# Altium PCB Copy of PCB1.PcbDoc
Units mm, origin at the board's own origin, x right, y up, seen from the top; angles counter-clockwise.
Board outline 96.67 x 96.78 mm, 2 copper layers (Top Layer, Bottom Layer); 53 components, 57 nets, 191 pads, 2 vias.
Unrouted connection lines stored in the file: 43.
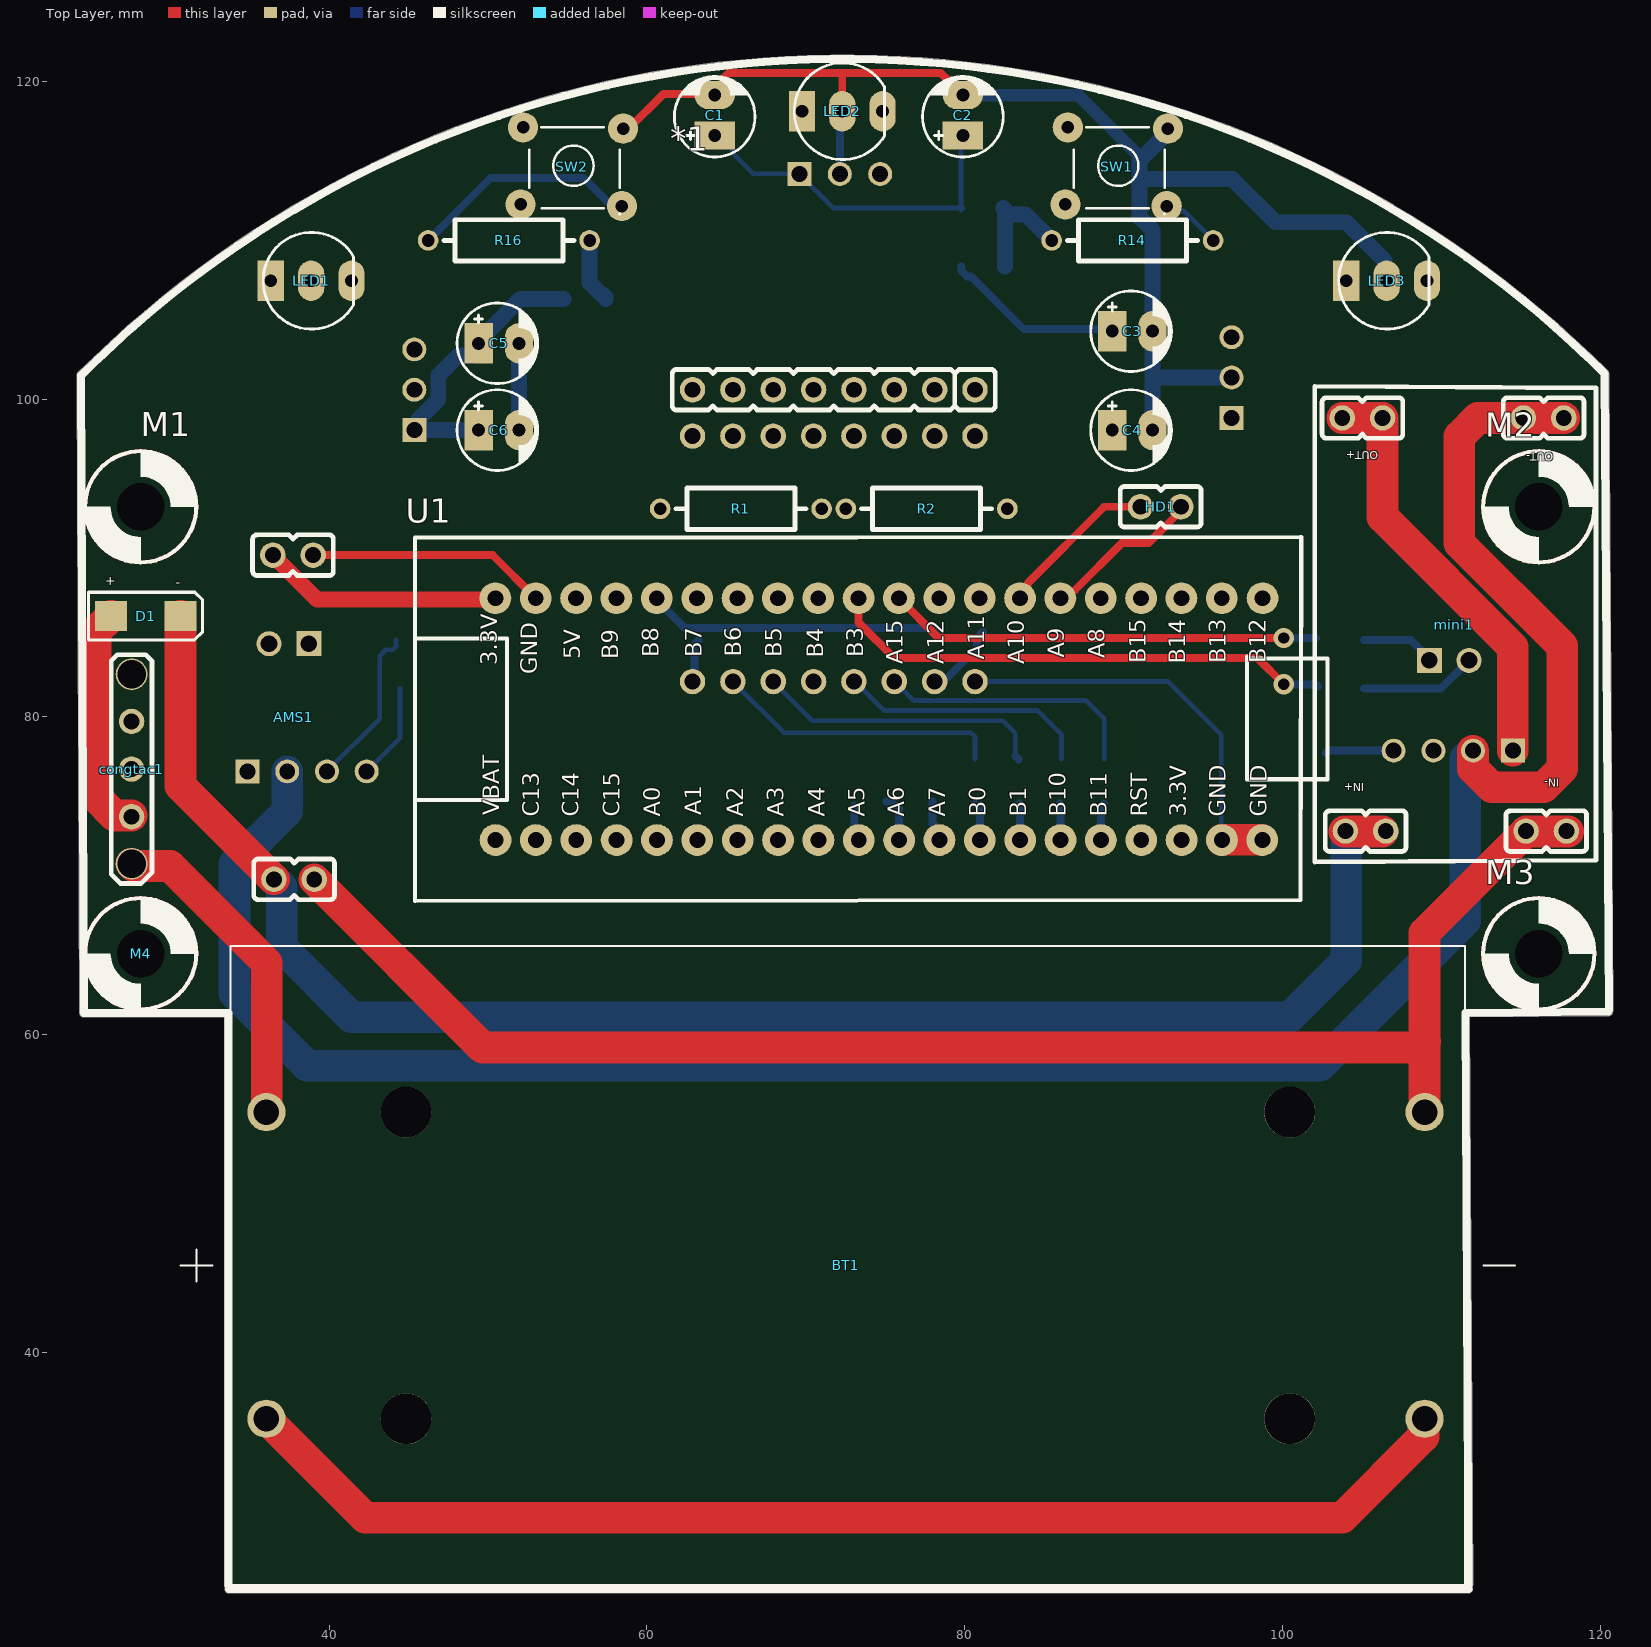
[diagram p0: Top Layer view]
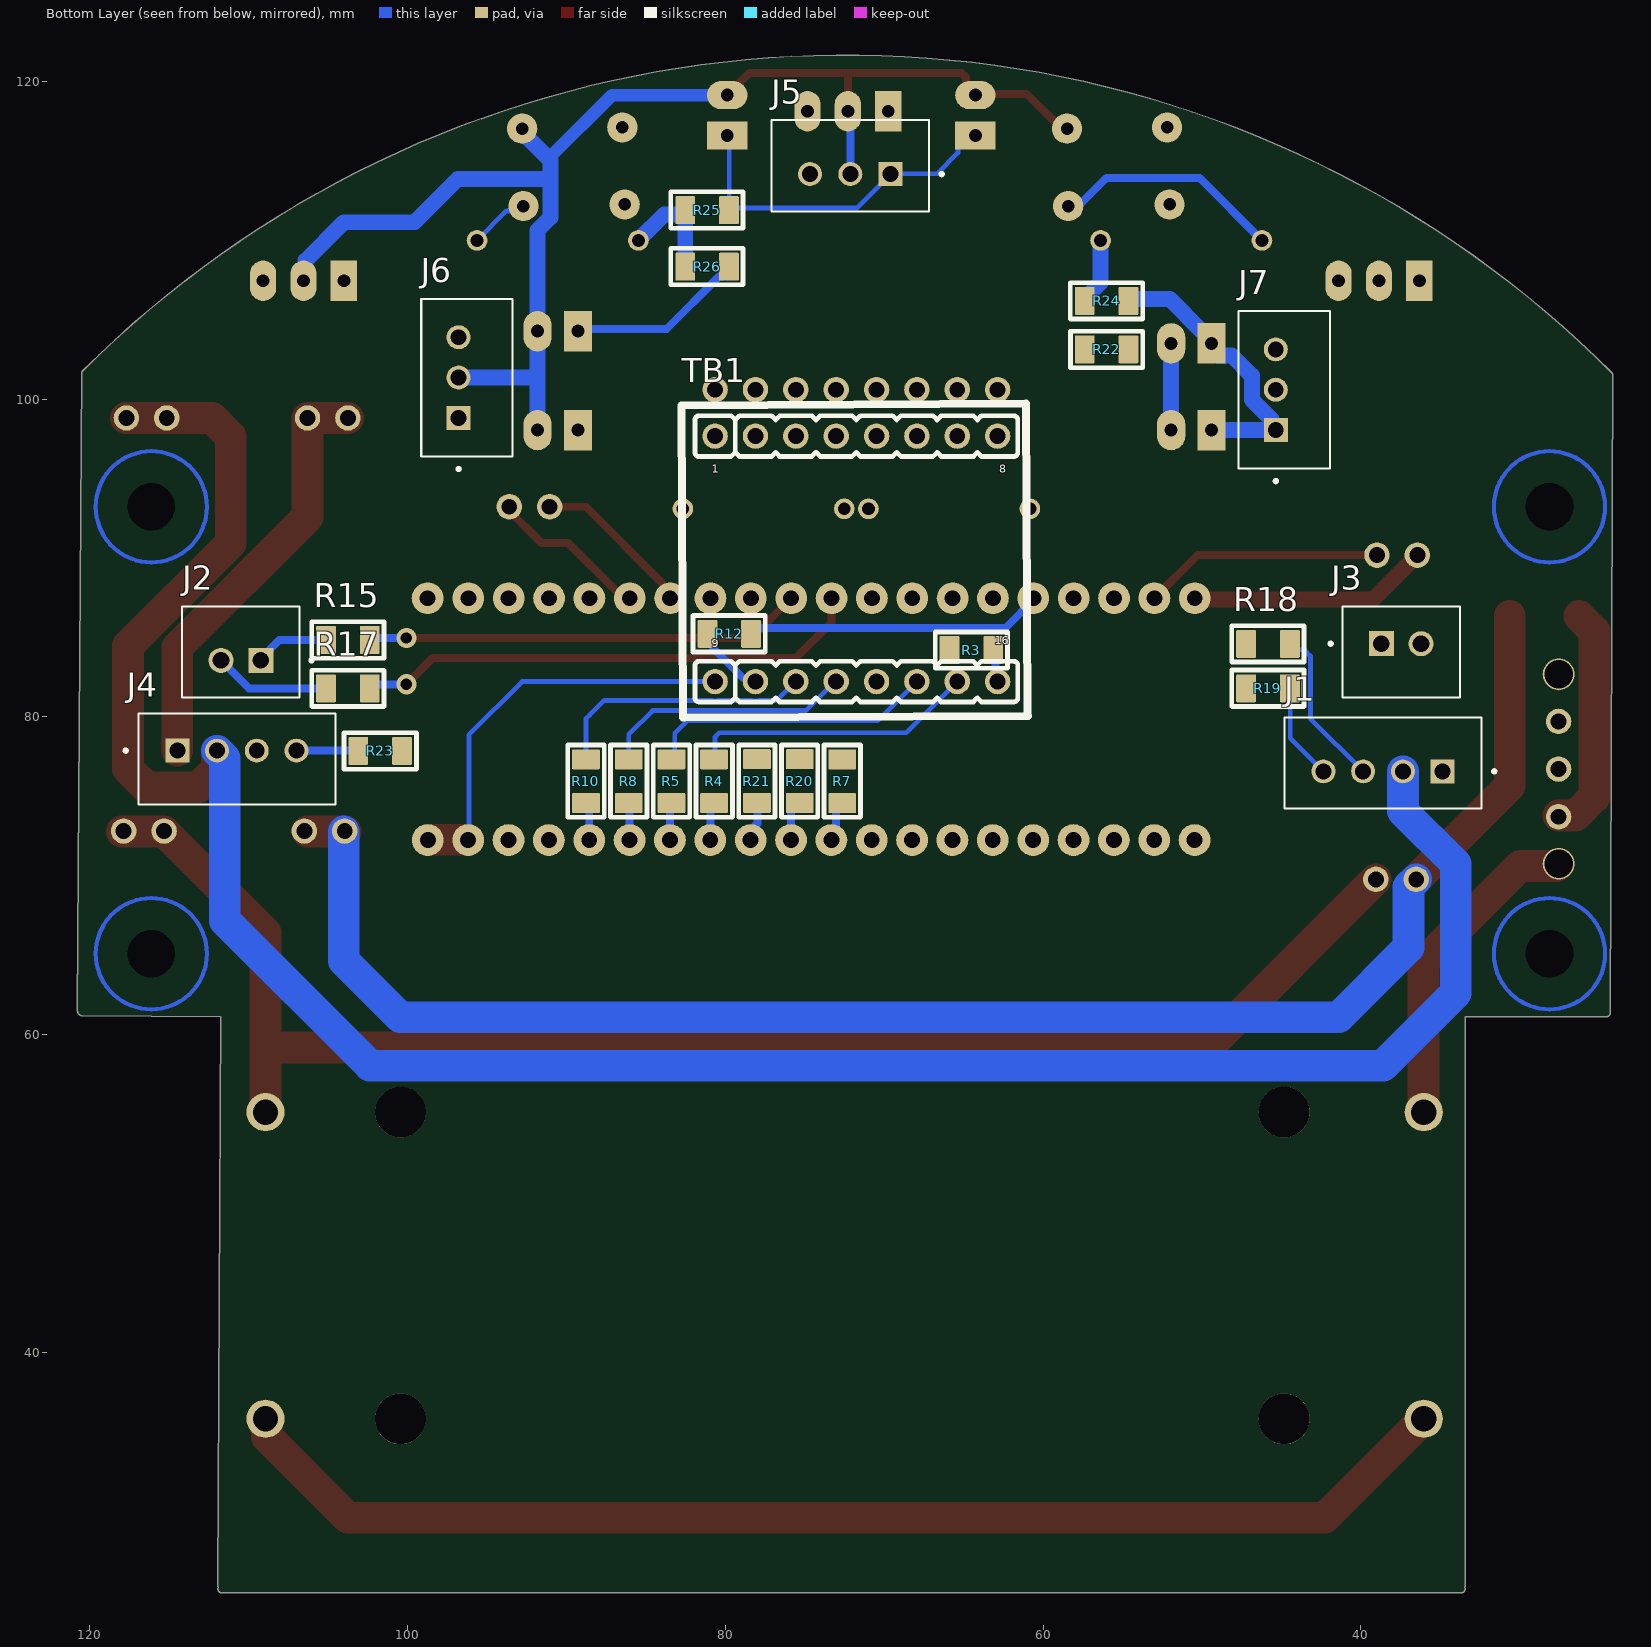
[diagram p1: Bottom Layer view, seen from below]

## Layer stack, top to bottom
Top Solder: solder mask 0.0102, Solder Resist, Dk 3.5
Top Layer: signal copper 0.0356
Dielectric 1: dielectric 0.32, FR-4, Dk 4.8
Bottom Layer: signal copper 0.0356
Bottom Solder: solder mask 0.0102, Solder Resist, Dk 3.5

## Board outline
33.417,25.361 33.417,61.116 24.555,61.116 cw(c24.555,61.366) 24.304,61.365 24.134,101.472 cw(c24.384,101.473) 24.207,101.65 cw(c72.39,53.594) 120.446,101.777 cw(c120.269,101.6) 120.519,101.602 120.799,61.576 120.799,61.574 cw(c120.549,61.574) 120.75,61.426 cw(c120.5,61.438) 120.502,61.188 111.752,61.113 111.959,25.363 111.959,25.362 cw(c111.709,25.362) 111.916,25.221 111.942,25.11 cw(c111.691,25.11) 111.691,24.859 33.691,24.859 cw(c33.691,25.11) 33.464,25.215 cw(c33.667,25.361)

## Design rules (kind name [scope] priority, off if disabled: settings)
Clearance [All] p1: gap=0.254 ignorepadtopadclearanceinfootprint=FALSE except(0: Arc-Hole Track-Hole SMDPad-Hole THPad-Hole Via-Hole Fill-Hole Poly-Hole Region-Hole Text-Hole)
PolygonConnect [All] p1: connectstyle=Relief reliefconductorwidth=0.254 reliefentries=4 polygonreliefangle="90 Angle" airgapwidth=0.254
RoutingVias [All] p1: holewidth=0.711 width=1.27 viastyle="Through Hole" minholewidth=0.711 minwidth=1.27 maxholewidth=0.711 maxwidth=1.27
SolderMaskExpansion [All] p1: expansion=0.102 istentingtop=FALSE
Width [All] p1: maxlimit=2 minlimit=0.254 preferedwidth=0.254 minimp=50.000000 maximp=50.000000 favimp=50.000000
30 further rules are at their usual default settings.

## Components (designator, comment, footprint, x,y, rotation, side; value= is the part's Value field where it differs from the comment)
*1 "MPU6050" MPU6050 71.755,100.584 r180 top
AMS1 "AMS1117-3.3" ASM1117-3.3 37.719,90.17 r180 top
BT1 "BK-18650-PC4" BAT_BK-18650-PC4 72.644,45.466 r0 top locked
C1 "10uF" CP1/2 64.262,116.586 r90 top value=10uF/50V
C2 "100nF" CP1/2 79.883,116.586 r90 top value=10uF/50V
C3 "10uF" CP1/2 89.281,104.267 r0 top value=10uF/50V
C4 "100nF" CP1/2 89.281,98.044 r0 top value=10uF/50V
C5 "100nF" CP1/2 49.403,103.505 r0 top value=10uF/50V
C6 "10uF" CP1/2 49.403,98.044 r0 top value=10uF/50V
congtac1 "congtac" CONGTAC 27.559,76.708 r90 top locked
D1 "SS14" "DIODE SMD" 28.448,86.233 r180 top
HD1 "Header 2" HEADER_2 92.329,93.218 r180 top
J1 "B4B-XH-A(LF)(SN)" JST_B4B-XH-A(LF)(SN) 38.608,77.089 r180 bottom
J2 "B2B-XH-A(LF)(SN)" JST_B2B-XH-A(LF)(SN) 110.49,84.074 r180 bottom
J3 "B2B-XH-A(LF)(SN)" JST_B2B-XH-A(LF)(SN) 37.465,84.074 r0 bottom
J4 "B4B-XH-A(LF)(SN)" JST_B4B-XH-A(LF)(SN) 110.744,77.343 r0 bottom
J5 "B3B-XH-A_(LF)(SN)" "JST_B3B-XH-A (LF)(SN)" 72.136,114.681 r180 bottom
J6 "B3B-XH-A_(LF)(SN)" "JST_B3B-XH-A (LF)(SN)" 96.266,101.346 r270 bottom
J7 "B3B-XH-A_(LF)(SN)" "JST_B3B-XH-A (LF)(SN)" 44.831,100.584 r270 bottom
LED1 "LED" LED-52 36.322,107.442 r0 top value="LED 3 - 5 ly 2 Colour"
LED2 "LED" LED-52 69.75,118.11 r0 top value="LED 3 - 5 ly 2 Colour"
LED3 "LED" LED-52 104.013,107.442 r0 top value="LED 3 - 5 ly 2 Colour"
M1 "VIT - 3.2mm" "VIT - 3.2mm" 28.13,93.214 r0 top locked
M2 "VIT - 3.2mm" "VIT - 3.2mm" 116.13,93.214 r0 top
M3 "VIT - 3.2mm" "VIT - 3.2mm" 116.13,65.087 r0 top locked
M4 "VIT - 3.2mm" "VIT - 3.2mm" 28.13,65.087 r0 top locked
mini1 "mini560" MINI540 105.029,98.806 r180 top locked
R1 "Res2" "RES 1/4W CFR25" 60.833,93.091 r0 top value=4.7K
R2 "Res2" "RES 1/4W CFR25" 82.677,93.091 r180 top value=4.7K
R3 "0" "Res 1206 SMD" 64.516,84.201 r180 bottom
R4 "0" "Res 1206 SMD" 80.708,75.946 r90 bottom
R5 "0" "Res 1206 SMD" 83.397,75.946 r90 bottom
R7 "0" "Res 1206 SMD" 72.644,75.946 r90 bottom
R8 "0" "Res 1206 SMD" 86.085,75.946 r90 bottom
R10 "0" "Res 1206 SMD" 88.773,75.946 r90 bottom
R12 "0" "Res 1206 SMD" 79.756,85.217 r0 bottom
R14 "Res2" "RES 1/4W CFR25" 95.631,109.982 r180 top value=4.7K
R15 "0" "Res 1206 SMD" 103.759,84.836 r180 bottom
R16 "Res2" "RES 1/4W CFR25" 46.228,109.982 r0 top value=4.7K
R17 "0" "Res 1206 SMD" 103.759,81.788 r180 bottom
R18 "0" "Res 1206 SMD" 45.847,84.582 r0 bottom
R19 "0" "Res 1206 SMD" 45.847,81.788 r0 bottom
R20 "0" "Res 1206 SMD" 75.322,75.956 r270 bottom
R21 "0" "Res 1206 SMD" 78.01,75.956 r270 bottom
R22 "0" "Res 1206 SMD" 56.007,103.124 r180 bottom
R23 "0" "Res 1206 SMD" 101.727,77.851 r180 bottom
R24 "0" "Res 1206 SMD" 56.007,106.172 r0 bottom
R25 "0" "Res 1206 SMD" 81.153,111.887 r0 bottom
R26 "0" "Res 1206 SMD" 81.153,108.331 r0 bottom
SW1 "SW" SW4 86.487,117.094 r0 top value="Button chip 4 pin"
SW2 "SW" SW4 52.197,117.094 r0 top value="Button chip 4 pin"
TB1 "TB6612FNG" TB6612PNG 71.755,97.663 r180 bottom
U1 "STM32F103C8T6" "Stm32 BluePill" 68.834,79.629 r90 top locked

## Footprints (in the part's own frame and the unit in brackets; to place one, negate y for a bottom-side part, rotate by r counter-clockwise, add the part's x,y. Pads: shape width x height; smd on the part's side, far side on the other; paste and mask are expansions set on the pad)
ASM1117-3.3 [mm] "Connector DIP, 2Pin_2.54mm"
  round 1.6 hole 1 mask+0.1: 1(1.2,20.4) 2(-1.34,20.4) 3(1.27,0) 4(-1.27,0)
  silkscreen extent -2.61,-1.28 2.54,21.68, body extent -5.6,-2.55 5.6,22.95, height 9.2
BAT_BK-18650-PC4 [mm]
  round 2.4 hole 1.6: 1+(-36.6,9.65) 1-(36.3,9.65) 2+(-36.6,-9.65) 2-(36.3,-9.65)
  round 3.2 hole 3.2 unplated: ""(-27.81,-9.65) ""(-27.81,9.65) ""(27.81,-9.65) ""(27.81,9.65)
  silkscreen extent -42,-20.1 42,20.1, body extent -39.1,-20.11 38.6,20.11, height 24.74
CONGTAC [mm] "Connector DIP, 5Pin_2.54mm"
  round 2 hole 1.8 mask+0.1: 1(-5.96,0) 5(5.96,0)
  round 1.6 hole 1 mask+0.1: 2(-3,0) 3(0,0) 4(3,0)
  silkscreen extent -7.2,-1.28 7.2,1.28, body extent -6.05,-2.7 6.05,2.8, height 9
CP1/2 [mil] "Tu hoa < 22uF/16>50V"
  rect 70x100 hole 32: 1(0,0)
  oval 70x100 hole 32: 2(100,0)
  silkscreen extent -53,-100 146,100, body extent -49,-99 149,99, height 287
"DIODE SMD" [mm]
  rect 2x1.9 smd: 1(2.184,-0.102) 2(-2.184,-0.102)
  silkscreen extent -3.58,-1.6 3.61,1.4, body extent -2.67,-1.5 2.82,1.3, height 2.3
HEADER_2 [mm] "Connector DIP, 2Pin_2.54mm"
  round 1.6 hole 1 mask+0.1: 1(-1.27,0) 2(1.27,0)
  silkscreen extent -2.54,-1.28 2.54,1.28, body extent -2.54,-1.27 2.54,1.27, height 10.1
JST_B2B-XH-A(LF)(SN) [mm]
  rect 1.575x1.575 / inner round 1.575 / far side rect 1.575x1.575 hole 1.05: 1(1.25,-0.525)
  round 1.575 hole 1.05: 2(-1.25,-0.525)
  silkscreen extent -3.7,-2.88 4.54,2.88, body extent -3.7,-2.88 3.7,2.88, height 7
"JST_B3B-XH-A (LF)(SN)" [mm]
  rect 1.508x1.508 / inner round 1.508 / far side rect 1.508x1.508 hole 1: 1(2.54,-0.525)
  round 1.508 hole 1: 2(0,-0.525) 3(-2.54,-0.525)
  silkscreen extent -4.95,-2.88 5.85,2.88, body extent -4.95,-2.88 4.95,2.88, height 7
JST_B4B-XH-A(LF)(SN) [mm]
  rect 1.508x1.508 / inner round 1.508 / far side rect 1.508x1.508 hole 1: 1(3.75,-0.525)
  round 1.508 hole 1: 2(1.25,-0.525) 3(-1.25,-0.525) 4(-3.75,-0.525)
  silkscreen extent -6.2,-2.88 7.1,2.88, body extent -6.2,-2.88 6.2,2.88, height 7
LED-52 [mil] "LED 3 PIN, 5 ly , Two colour"
  rect 65x100 hole 32: 1(0,0)
  oval 65x100 hole 32: 2(100,0) 3(200,0)
  silkscreen extent -19,-120 205,120, body extent -20,-115 214,113, height 476
MINI540 [mm] "Connector DIP, 2Pin_2.54mm"
  round 1.6 hole 1 mask+0.1: 1(-12.84,26) 2(-10.3,26) 3(-1.47,26) 4(1.07,26) 5(-12.67,0) 6(-10.13,0) 7(-1.27,0) 8(1.27,0)
  silkscreen extent -14.7,-2 3,27.95, body extent -14.8,-2.1 3.2,27.9, height 11.62
MPU6050 [mm] "Connector DIP Male, 8Pin_2.54mm"
  round 1.6 hole 1 mask+0.1: 1(-8.89,0) 2(-6.35,0) 3(-3.81,0) 4(-1.27,0) 5(1.27,0) 6(3.81,0) 7(6.35,0) 8(8.89,0)
  silkscreen extent -10.16,-1.28 10.16,1.28, body extent -10.55,-14.28 10.55,1.6, height 9.94
"RES 1/4W CFR25" [mm] "Axial Device, Thru-Hole; 2 Leads fi 0.55"
  round 1.3 hole 0.8 mask+0.1: 1(0,0) 2(10.16,0)
  silkscreen extent 0.98,-1.3 9.18,1.3, body extent -0.3,-1.16 10.47,1.16, height 2.93
"Res 1206 SMD" [mm] "Reflow Soldering"
  rrect10% 1.25x1.75 smd mask+0.1: 1(-1.375,0) 2(1.375,0)
  silkscreen extent -2.27,-1.15 2.28,1.14, body extent -1.6,-0.8 1.6,0.8, height 0.65
"Stm32 BluePill" [mm]
  round 2 hole 1: 1(7.828,-29.909) 2(7.828,-27.343) 3(7.828,-24.803) 4(7.828,-22.263) 5(7.828,-19.723) 6(7.828,-17.183) 7(7.828,-14.643) 8(7.828,-12.103) 9(7.828,-9.563) 10(7.828,-7.023) 11(7.828,-4.483) 12(7.828,-1.943) 13(7.828,0.597) 14(7.828,3.137) 15(7.828,5.677) 16(7.828,8.217) 17(7.828,10.757) 18(7.828,13.297) 19(7.828,15.837) 20(7.828,18.377) 21(-7.386,18.366) 22(-7.386,15.826) 23(-7.386,13.286) 24(-7.386,10.746) 25(-7.386,8.206) 26(-7.386,5.666) 27(-7.386,3.126) 28(-7.386,0.586) 29(-7.386,-1.954) 30(-7.386,-4.494) 31(-7.386,-7.034) 32(-7.386,-9.574) 33(-7.386,-12.114) 34(-7.386,-14.654) 35(-7.386,-17.194) 36(-7.386,-19.734) 37(-7.386,-22.274) 38(-7.386,-24.814) 39(-7.386,-27.354) 40(-7.386,-29.894)
  silkscreen extent -11.22,-34 11.69,23.43, body extent -11.18,-33.27 11.68,24.29, height 16.77
SW4 [mil] "SW button 4pin, 250 x250 mil"
  round 75 hole 31: 1(0,0) 2(245,-195) 3(248,-3) 4(-6,-191)
  silkscreen extent 15,-215 240,0, body extent -36,-220 276,24, height 276
TB6612PNG [mm] "Connector DIP Male, 8Pin_2.54mm"
  round 1.6 hole 1 mask+0.1: 1(-8.89,0) 2(-6.35,0) 3(-3.81,0) 4(-1.27,0) 5(1.27,0) 6(3.81,0) 7(6.35,0) 8(8.89,0) 9(-8.89,-15.45) 10(-6.35,-15.45) 11(-3.81,-15.45) 12(-1.27,-15.45) 13(1.27,-15.45) 14(3.81,-15.45) 15(6.35,-15.45) 16(8.89,-15.45)
  silkscreen extent -11,-17.72 10.8,2.04, body extent -10.58,-18.25 10.4,2.65, height 9.54
"VIT - 3.2mm" [mm]
  round 0 hole 3 unplated: 1(0,0)
  Top Layer circle w0.2: c0,0 r3.5
  Top Layer circle w0.254: c0,0 r3.5
  Bottom Layer circle w0.2: c0,0 r3.5
  Bottom Layer circle w0.254: c0,0 r3.5
  silkscreen extent -3.5,-3.51 3.5,3.51

## Part data
BT1: "Battery Holder (Open) 18650 2 Cell PC Pin", Package=None, Availability=Unavailable, MP=BK-18650-PC4, Price=None
C1 C2 C3 C4 C5 C6: library part CP1, "Cap P  0,1uF < 22uF , 16 - 50V", Description 1="10 => 220uF/6,3V/10V - 10uF => 100uF/16V", Description 2="0,1uF => 33uF/50V - 10uF => 22uF/63V", Description 3="0,47uF => 10uF/100V"
D1: library part "Diode SS14 ( 1N5819)", "Dán", Chung_Loai=Dán, Don_Vi=Con, Ma_Hang=MH002211, Ten_Linh_Kien="Diode SS14 DO214 Schottky 1A 40V ( 1N5819 DO214)"
HD1: library part Header2
J1 J4: "Connector Header Through Hole 4 position 0.098 (2.50mm)", Package=None, Check_prices=https://www.snapeda.com/parts/B4B-XH-A(LF)(SN)/JST+Sales+America+Inc./view-part/?ref=eda, MF="JST Sales", MP=B4B-XH-A(LF)(SN), SnapEDA_Link=https://www.snapeda.com/parts/B4B-XH-A(LF)(SN)/JST+Sales+America+Inc./view-part/?ref=snap
J2 J3: "Connector Header Through Hole 2 position 0.098 (2.50mm)", Package=None, Check_prices=https://www.snapeda.com/parts/B2B-XH-A(LF)(SN)/JST+Sales+America+Inc./view-part/?ref=eda, MF="JST Sales America Inc.", MP=B2B-XH-A(LF)(SN), SnapEDA_Link=https://www.snapeda.com/parts/B2B-XH-A(LF)(SN)/JST+Sales+America+Inc./view-part/?ref=snap
J5 J6 J7: "Connector Header Through Hole 3 position 0.098 (2.50mm)", Package=None, Check_prices=https://www.snapeda.com/parts/B3B-XH-A%20(LF)(SN)/JST+Sales+America+Inc./view-part/?ref=eda, MF="JST Sales America Inc.", MP="B3B-XH-A (LF)(SN)", SnapEDA_Link=https://www.snapeda.com/parts/B3B-XH-A%20(LF)(SN)/JST+Sales+America+Inc./view-part/?ref=snap
LED1 LED2 LED3: library part LED2, "LED 2 colour Green and Red"
R1 R2 R14 R16: "Resistor", LatestRevisionDate=17-Jul-2002, LatestRevisionNote="Re-released for DXP Platform.", PackageDescription="Axial Device, Thru-Hole; 2 Leads; 0.4 in Pin Spacing", PackageReference=AXIAL-0.4, Published=8-Jun-2000, Publisher="Altium Limited"
R3 R4 R5 R7 R8 R10 R12 R15 R17 R18 R19 R20 R21 R22 R23 R24 R25 R26: library part RES-1206, "RES SMD 5.1 OHM 1% 1/4W 1206", Manufacturer=Yageo, Manufacturer Part Number=RC1206FR-075R1L, Operating Temperature="-55°C ~ 155°C", Package / Case="1206 (3216 Metric)", Power (Watts)="0.25W, 1/4W", Resistance (Ohms)=5.1, Supplier Device Package=1206, Supplier Part Number 1=311-5.10FRCT-ND, Temperature Coefficient=±200ppm/°C, Tolerance=±1%, Category=Resistors, ComponentLink1Description=http://www.yageo.com/documents/recent/PYu-RC_Group_51_RoHS_L_7.pdf, ComponentLink1URL=http://www.yageo.com/documents/recent/PYu-RC_Group_51_RoHS_L_7.pdf, Composition="Thick Film", Failure Rate=-, Features="Moisture Resistant", Height - Seated (Max)="0.026\" (0.65mm)", Packaging="Cut Tape (CT)", Part Status=Active, Pricing 1="1=0.1, 10=0.051, 100=0.0207, 1000=0.0093, 2500=0.00807 (USD)", RoHS="RoHS Compliant", Size / Dimension="0.122\" L x 0.063\" W (3.10mm x 1.60mm)", Stock 1=96701, Supplier 1=Digi-Key
SW1 SW2: library part SW4, "Switch button 4 pin"
U1: library part BluePill, "Designed By @Alixahedi"

## Via types
v1: diameter 1.27, hole 0.711, Top Layer to Bottom Layer, 2 vias

## Nets (pads, with @x,y where several pads share a name; then routed paths per layer and width w, separated by ;. In a path a pad name is that pad's centre, name@x,y a point inside that pad or via, vN(x,y) a via of type N, cw(c..) or ccw(c..) an arc to the next point about the centre after c; other vN are vias at no path point)
+5: J1.1 J4.1 mini1.7 mini1.8 TB1.8 | length 26.9
  Top Layer w2: mini1.8 mini1.7 106.299,92.57 114.494,84.375 J4.1
A01: R18.2 TB1.5
A02: R19.2 TB1.4
ADC_CB1: J7.3 U1.25
ADC_CB2: J5.3 U1.26
ADC_CB3: J6.3 U1.27
AI1: R5.1 U1.34 | length 2.6
  Bottom Layer w0.5: R5.1@83.439,74.549 83.488,74.5 U1.34 U1.34@83.693,72.448
AI2: R4.1 U1.33 | length 2.4
  Bottom Layer w0.5: R4.1@80.645,74.549 80.948,74.246 U1.33
B01: R22.2 TB1.2
B02: R23.2 TB1.3
BI1: R8.1 U1.35 | length 2.3
  Bottom Layer w0.5: R8.1@85.979,74.549 86.028,74.5 U1.35
BI2: R10.1 U1.36 | length 2.8
  Bottom Layer w0.5: R10.1@88.773,74.549 88.568,74.344 U1.36 U1.36@88.855,72.53
GND: *1.7 AMS1.4 C1.2 C2.2 C3.2 C4.2 C5.2 C6.2 J5.2 J6.2 J7.2 LED1.2 LED2.2 LED3.2 SW1.3 SW2.3 TB1.9 U1.19 U1.39 U1.40 | length 133.9
  Top Layer w0.5: AMS1.4 50.292,90.17 U1.19@52.959,87.503 ; SW2.3 58.852,117.018 61.036,119.202 64.186,119.202 C1.2 ; C1.2@64.338,119.202 64.343,119.202 64.857,119.716 64.857,120.23 65.15,120.523 72.29,120.523 ; LED2.2 72.29,120.523 ; C2.2 79.848,119.126 79.034,119.94 79.034,119.975 78.486,120.523 72.29,120.523
  Top Layer w2: U1.39 96.208,72.263 U1.40@98.679,72.263
  Bottom Layer w0.3: TB1.9 92.793,82.213 96.139,78.867 U1.39@96.139,72.009
  Bottom Layer w0.5: LED1.2@38.862,107.309 LED1.2 ; J5.2@72.136,114.3 72.136,117.956 LED2.2 ; LED2.2@72.39,118.11 LED2.2@72.517,117.983
  Bottom Layer w0.8: C2.2 87.122,119.126 91.059,115.189
  Bottom Layer w1: C6.2 C5.2 51.943,103.632 C5.2@52.07,103.759 ; 91.003,113.919 91.003,115.006 ; 91.123,115.126 SW1.3@92.964,116.967 ; C4.2 91.821,101.219 ; J6.2 91.948,101.346 91.821,101.219 ; LED3.2 106.428,107.567 106.428,108.71 104.013,111.125 99.568,111.125 96.845,113.848 91.003,113.848 91.003,111.434 91.821,110.617 C3.2 91.821,101.219
LED1: LED2.1 U1.29
LED2: LED2.3 U1.28
LED3: LED3.1 U1.12
LED4: LED3.3 U1.13
LED5: LED1.1 U1.3
LED6: LED1.3 U1.4
NetAMS1_1: AMS1.1 D1.2 mini1.3 mini1.4 | length 104.3
  Top Layer w2: D1.2 30.632,75.657 AMS1.1 ; mini1.4@103.886,72.771 mini1.3@106.299,72.771
  Bottom Layer w2: AMS1.1 37.005,69.284 37.005,65.484 41.402,61.087 100.457,61.087 104.013,64.643 mini1.4@104.013,72.771
NetAMS1_2: AMS1.2 BT1.1- mini1.1 mini1.2 | length 97.4
  Top Layer w2: AMS1.2 49.647,59.182 108.585,59.182 108.944,59.541 ; BT1.1- 108.944,59.541 ; 108.944,59.563 108.944,66.399 115.316,72.771 mini1.1@117.983,72.771 ; 108.966,59.563 108.944,59.541
NetBT1_1+: BT1.1+ congtac1.1 | length 20.5
  Top Layer w2: congtac1.1 27.695,70.612 29.972,70.612 36.068,64.516 BT1.1+@36.068,55.118
NetBT1_2+: BT1.2+ BT1.2- | length 79.8
  Top Layer w0.254: BT1.2+@36.044,35.235 BT1.2+ ; BT1.2-@108.944,35.411 BT1.2-
  Top Layer w2: BT1.2+ 42.269,29.591 103.759,29.591 108.867,34.699 108.867,35.842 BT1.2-@108.966,35.941
NetC1_1: C1.1 C2.1 J5.1 R25.1 | length 22.5
  Bottom Layer w0.3: C1.1 64.621,116.586 65.36,115.847 65.36,115.488 66.675,114.173 J5.1@69.596,114.173 ; J5.1 71.738,112.014 R25.1@79.756,112.014 ; R25.1@79.756,111.887 R25.1@79.756,112.014 ; R25.1@79.883,112.014 R25.1@79.756,112.014 ; C2.1 79.756,116.459 R25.1@79.756,112.014
NetC3_1: C3.1 C4.1 J6.1 R26.1 | length 11.4
  Bottom Layer w0.5: R26.1 79.778,108.081 80.153,107.706 80.403,107.706 83.715,104.394 C3.1@89.408,104.394
NetC5_1: C5.1 C6.1 J7.1 R24.1 | length 18.5
  Bottom Layer w1: C6.1@49.403,98.171 49.276,98.044 J7.1 45.61,98.298 45.61,98.705 46.864,99.959 46.864,101.474 48.125,102.735 49.014,102.735 49.403,103.124 C5.1 49.403,103.886 49.792,104.275 50.008,104.275 52.032,106.299 R24.1@54.737,106.299
Netcongtac1_2: congtac1.2 D1.1 | length 14.5
  Top Layer w2: D1.1 25.305,85.376 25.305,74.959 26.477,73.787 congtac1.2@27.559,73.787
NetJ1_3: J1.3 R18.1 | length 10.3
  Bottom Layer w0.3: J1.3 43.18,79.886 43.18,83.82 43.573,84.213 43.997,84.213 44.196,84.412 R18.1@44.196,84.836
NetJ1_4: J1.4 R19.1 | length 6.1
  Bottom Layer w0.3: J1.4 44.45,78.656 R19.1@44.45,81.788
NetJ2_1: J2.1 R15.1 | length 4.8
  Bottom Layer w0.5: R15.1 108.077,84.836 108.702,84.211 108.702,84.087 109.223,83.566 J2.1@109.347,83.566
NetJ2_2: J2.2 R17.1 | length 7.4
  Bottom Layer w0.5: R17.1 109.982,81.788 J2.2@111.76,83.566
NetJ3_1: J3.1 R20.1
NetJ3_2: J3.2 R21.1
NetJ4_3: J4.3 R22.1
NetJ4_4: J4.4 R23.1 | length 4.3
  Bottom Layer w0.5: R23.1@102.743,77.724 102.887,77.868 J4.4
NetR3_2: R3.2 TB1.16 | length 2.4
  Bottom Layer w0.5: TB1.16 62.987,82.335 62.987,84.069 R3.2@62.992,84.074 ; R3.2@62.893,84.455 63.246,84.808 R3.2@63.246,84.836
NetR4_2: R4.2 TB1.15 | length 18.1
  Bottom Layer w0.3: TB1.15 68.624,78.994 80.391,78.994 80.645,78.74 R4.2@80.645,77.343
NetR5_2: R5.2 TB1.14 | length 18.3
  Bottom Layer w0.3: TB1.14 70.402,79.756 82.384,79.756 83.185,78.955 R5.2@83.185,77.533
  Bottom Layer w0.5: R5.2@83.185,77.533 R5.2
NetR7_2: R7.2 TB1.13
NetR8_2: R8.2 TB1.12 | length 16
  Bottom Layer w0.3: TB1.12@73.025,82.296 74.93,80.391 84.582,80.391 86.085,78.888 R8.2
NetR10_2: R10.2 TB1.11 | length 16.6
  Bottom Layer w0.3: TB1.11 76.752,81.026 77.903,81.026 ccw(c78.105,82.213) 78.308,81.026 80.443,81.026 ccw(c80.645,82.213) 80.848,81.026 87.63,81.026 88.429,80.227 ; 88.519,80.137 88.773,79.883 R10.2
NetR12_2: R12.2 TB1.10 | length 4.7
  Bottom Layer w0.5: TB1.10 78.316,82.423 78.867,82.423 80.756,84.312 80.756,84.947 R12.2@81.153,85.344
PGND: J1.2 J4.2 mini1.5 mini1.6 TB1.1 TB1.6 | length 147.7
  Top Layer w2: J4.2 111.994,76.737 113.166,75.565 116.43,75.565 117.602,76.737 117.602,84.455 111.125,90.932 111.125,97.634 112.297,98.806 mini1.6 mini1.5 mini1.5@117.729,98.806
  Bottom Layer w2: J1.2 37.358,74.061 34.036,70.739 34.036,62.611 38.608,58.039 102.362,58.039 111.502,67.179 111.502,77.376 J4.2
SCL: *1.6 R1.1 U1.14
SDA: *1.5 R2.1 U1.15
STBY: R7.1 U1.30 | length 2.3
  Bottom Layer w0.5: R7.1@73.043,74.422 73.043,72.528 U1.30
SW1: R14.1 SW1.2 U1.1 | length 3.8
  Bottom Layer w0.3: SW1.2 93.017,111.834 93.779,111.834 R14.1
SW2: R16.1 SW2.2 U1.2 | length 14.6
  Bottom Layer w0.5: R16.1 50.165,113.919 56.007,113.919 57.516,112.41 58.151,112.41 SW2.2
TIM1_CH4: R3.1 U1.8
TIM2_CH1: R15.2 U1.10 | length 27.3
  Top Layer w0.5: U1.10 78.351,84.963 v1(100.076,84.963)
  Bottom Layer w0.5: v1(100.076,84.963) R15.2@102.108,84.963
TIM2_CH2: R17.2 U1.11 | length 32.1
  Top Layer w0.5: U1.11 73.317,85.941 75.565,83.693 98.425,83.693 v1(100.076,82.042)
  Bottom Layer w0.5: v1(100.076,82.042) 102.108,82.042 R17.2@102.235,81.915
TIM3_CH1: R20.2 U1.31 | length 3.1
  Bottom Layer w0.5: R20.2@75.057,74.676 75.398,74.676 75.868,74.206 U1.31 ; U1.31@76.073,72.136 U1.31@76.073,72.243
TIM3_CH2: R21.2 U1.32 | length 2.8
  Bottom Layer w0.5: R21.2@77.978,74.676 77.978,73.286 78.121,73.143 78.121,72.53 U1.32 ; U1.32@78.457,72.292 U1.32@78.613,72.136
TIM4_CH3: R12.1 U1.16 | length 18.9
  Bottom Layer w0.5: U1.16@60.452,87.503 62.357,85.598 78.006,85.598 78.381,85.223 R12.1
UART1_RX: HD1.2 U1.7 | length 10.2
  Top Layer w0.5: U1.7 83.477,87.863 83.982,88.368 83.982,88.427 88.773,93.218 HD1.2
UART1_TX: HD1.1 U1.6 | length 8.9
  Top Layer w0.5: 86.954,87.988 89.898,90.932 91.567,90.932 HD1.1@93.726,93.091
VCC: *1.8 AMS1.3 R1.2 R2.2 R14.2 R16.2 R24.2 R25.2 R26.2 TB1.7 U1.20 U1.38 | length 26.7
  Top Layer w1: AMS1.3 39.243,87.376 U1.20@50.419,87.376
  Bottom Layer w1: R16.2 56.388,107.315 57.156,106.547 57.257,106.547 57.404,106.4 R24.2@57.404,106.299 ; R25.2@82.423,112.014 82.528,111.909 R25.2 R25.2@82.528,111.739 ; R26.2 R25.2@82.528,111.739 ; R14.2 83.839,111.614 82.653,111.614 R25.2@82.528,111.739
pads on no net: *1.1 *1.2 *1.3 *1.4 BT1. congtac1.3 congtac1.4 congtac1.5 M1.1 M2.1 M3.1 M4.1 SW1.1 SW1.4 SW2.1 SW2.4 U1.5 U1.9 U1.17 U1.18 U1.21 U1.22 U1.23 U1.24 U1.37

## Silkscreen, mask and mechanical layers (free items; w line width, h text height)
Top Overlay:
  lines w0.5: 33.639,61.366 24.555,61.366 24.384,101.473 cw(c72.39,53.594) 120.269,101.6 120.548,61.574 ; 33.667,25.361 33.667,61.361 ; 33.691,25.11 111.691,25.11 ; 111.709,25.362 111.5,61.361 120.5,61.438
  text "+" at 25.908,88.046 h1
  text "-" at 30.353,87.967 h1

## Text inside footprints (layer, text, board x,y; h text height)
*1: Mechanical 2 "1" at 80.855,100.984 h1.2 r180; Mechanical 2 "8" at 63.155,100.984 h1.2 r180
AMS1: Mechanical 1 "2" at 39.313,70.024 h1.2 r180; Mechanical 1 "1" at 36.773,70.024 h1.2 r180; Mechanical 1 "HD?" at 37.739,69.72 h0.8 r180; Mechanical 1 "HD?" at 37.669,90.12 h0.8 r180; Mechanical 1 "3" at 36.703,90.424 h1.2 r180; Mechanical 1 "4" at 39.243,90.424 h1.2 r180
congtac1: Mechanical 2 "5" at 27.859,82.408 h1.2 r90; Mechanical 2 "1" at 27.559,70.708 h1.2 r90
HD1: Mechanical 1 "HD?" at 92.279,93.168 h0.8 r180; Mechanical 1 "2" at 91.313,93.472 h1.2 r180; Mechanical 1 "1" at 93.853,93.472 h1.2 r180
mini1: Top Overlay "IN-" at 117.429,76.106 h0.5 r180; Top Overlay "IN+" at 105.129,75.806 h0.5 r180; Top Overlay "OUT-" at 117.029,96.606 h0.5 r180; Top Overlay "OUT+" at 106.029,96.706 h0.5 r180; Mechanical 1 "1" at 118.123,73.06 h1.2 r180; Mechanical 1 "2" at 115.583,73.06 h1.2 r180; Mechanical 1 "HD?" at 116.549,72.756 h0.8 r180; Mechanical 1 "3" at 106.753,73.06 h1.2 r180; Mechanical 1 "2" at 104.213,73.06 h1.2 r180; Mechanical 1 "HD?" at 105.179,72.756 h0.8 r180; Mechanical 1 "1" at 117.953,99.06 h1.2 r180; Mechanical 1 "2" at 115.413,99.06 h1.2 r180; Mechanical 1 "HD?" at 116.379,98.756 h0.8 r180; Mechanical 1 "1" at 106.553,99.06 h1.2 r180; Mechanical 1 "2" at 104.013,99.06 h1.2 r180; Mechanical 1 "HD?" at 104.979,98.756 h0.8 r180
R1: Mechanical 1 "R?" at 60.913,93.091 h0.5
R2: Mechanical 1 "R?" at 82.597,93.091 h0.5 r180
R14: Mechanical 1 "R?" at 95.551,109.982 h0.5 r180
R16: Mechanical 1 "R?" at 46.308,109.982 h0.5
TB1: Mechanical 2 "1" at 80.855,97.263 h1.2; Mechanical 2 "8" at 63.155,97.263 h1.2; Mechanical 2 "1" at 80.855,81.813 h1.2; Mechanical 2 "8" at 63.155,81.813 h1.2; Bottom Overlay "16" at 63.055,84.563 h0.5; Bottom Overlay "9" at 80.855,84.363 h0.5; Bottom Overlay "8" at 62.755,95.363 h0.5; Bottom Overlay "1" at 80.855,95.363 h0.5
U1: Top Overlay "5V" at 56.14,83.622 h1.78 r90; Top Overlay "B9" at 58.553,83.622 h1.78 r90; Top Overlay "B8" at 61.093,83.749 h1.78 r90; Top Overlay "3.3V" at 50.933,83.241 h1.78 r90; Top Overlay "GND" at 53.447,82.677 h1.78 r90; Top Overlay "A5" at 74.047,73.716 h1.78 r90; Top Overlay "A2" at 66.396,73.716 h1.78 r90; Top Overlay "A3" at 68.941,73.716 h1.78 r90; Top Overlay "A4" at 71.526,73.716 h1.78 r90; Top Overlay "RST" at 91.827,73.716 h1.78 r90; Top Overlay "B10" at 86.696,73.716 h1.78 r90; Top Overlay "B11" at 89.281,73.716 h1.78 r90; Top Overlay "A6" at 76.536,73.716 h1.78 r90; Top Overlay "A7" at 79.121,73.716 h1.78 r90; Top Overlay "B0" at 81.667,73.716 h1.78 r90; Top Overlay "B1" at 84.226,73.716 h1.78 r90; Top Overlay "3.3V" at 94.29,73.716 h1.78 r90; Top Overlay "B15" at 91.725,83.378 h1.78 r90; Top Overlay "A8" at 89.16,83.685 h1.78 r90; Top Overlay "A11" at 81.585,83.602 h1.78 r90; Top Overlay "B3" at 73.945,83.749 h1.78 r90; Top Overlay "A9" at 86.594,83.716 h1.78 r90; Top Overlay "A15" at 76.434,83.315 h1.78 r90; Top Overlay "A12" at 79.019,83.315 h1.78 r90; Top Overlay "A10" at 84.105,83.315 h1.78 r90; Top Overlay "VBAT" at 51.054,73.789 h1.78 r90; Top Overlay "B5" at 68.84,83.749 h1.78 r90; Top Overlay "B14" at 94.209,83.348 h1.78 r90; Top Overlay "B7" at 63.805,83.749 h1.78 r90; Top Overlay "B4" at 71.425,83.716 h1.78 r90; Top Overlay "B6" at 66.274,83.779 h1.78 r90; Top Overlay "C15" at 58.629,73.716 h1.78 r90; Top Overlay "C13" at 53.574,73.716 h1.78 r90; Top Overlay "C14" at 56.063,73.716 h1.78 r90; Top Overlay "A0" at 61.194,73.716 h1.78 r90; Top Overlay "A1" at 63.754,73.787 h1.78 r90; Top Overlay "GND" at 96.78,73.716 h1.78 r90; Top Overlay "B13" at 96.78,83.368 h1.78 r90; Top Overlay "GND" at 99.345,73.716 h1.78 r90; Top Overlay "B12" at 99.289,83.378 h1.78 r90